# KiCad board imx8x_carrier_v2.kicad_pcb (continued)
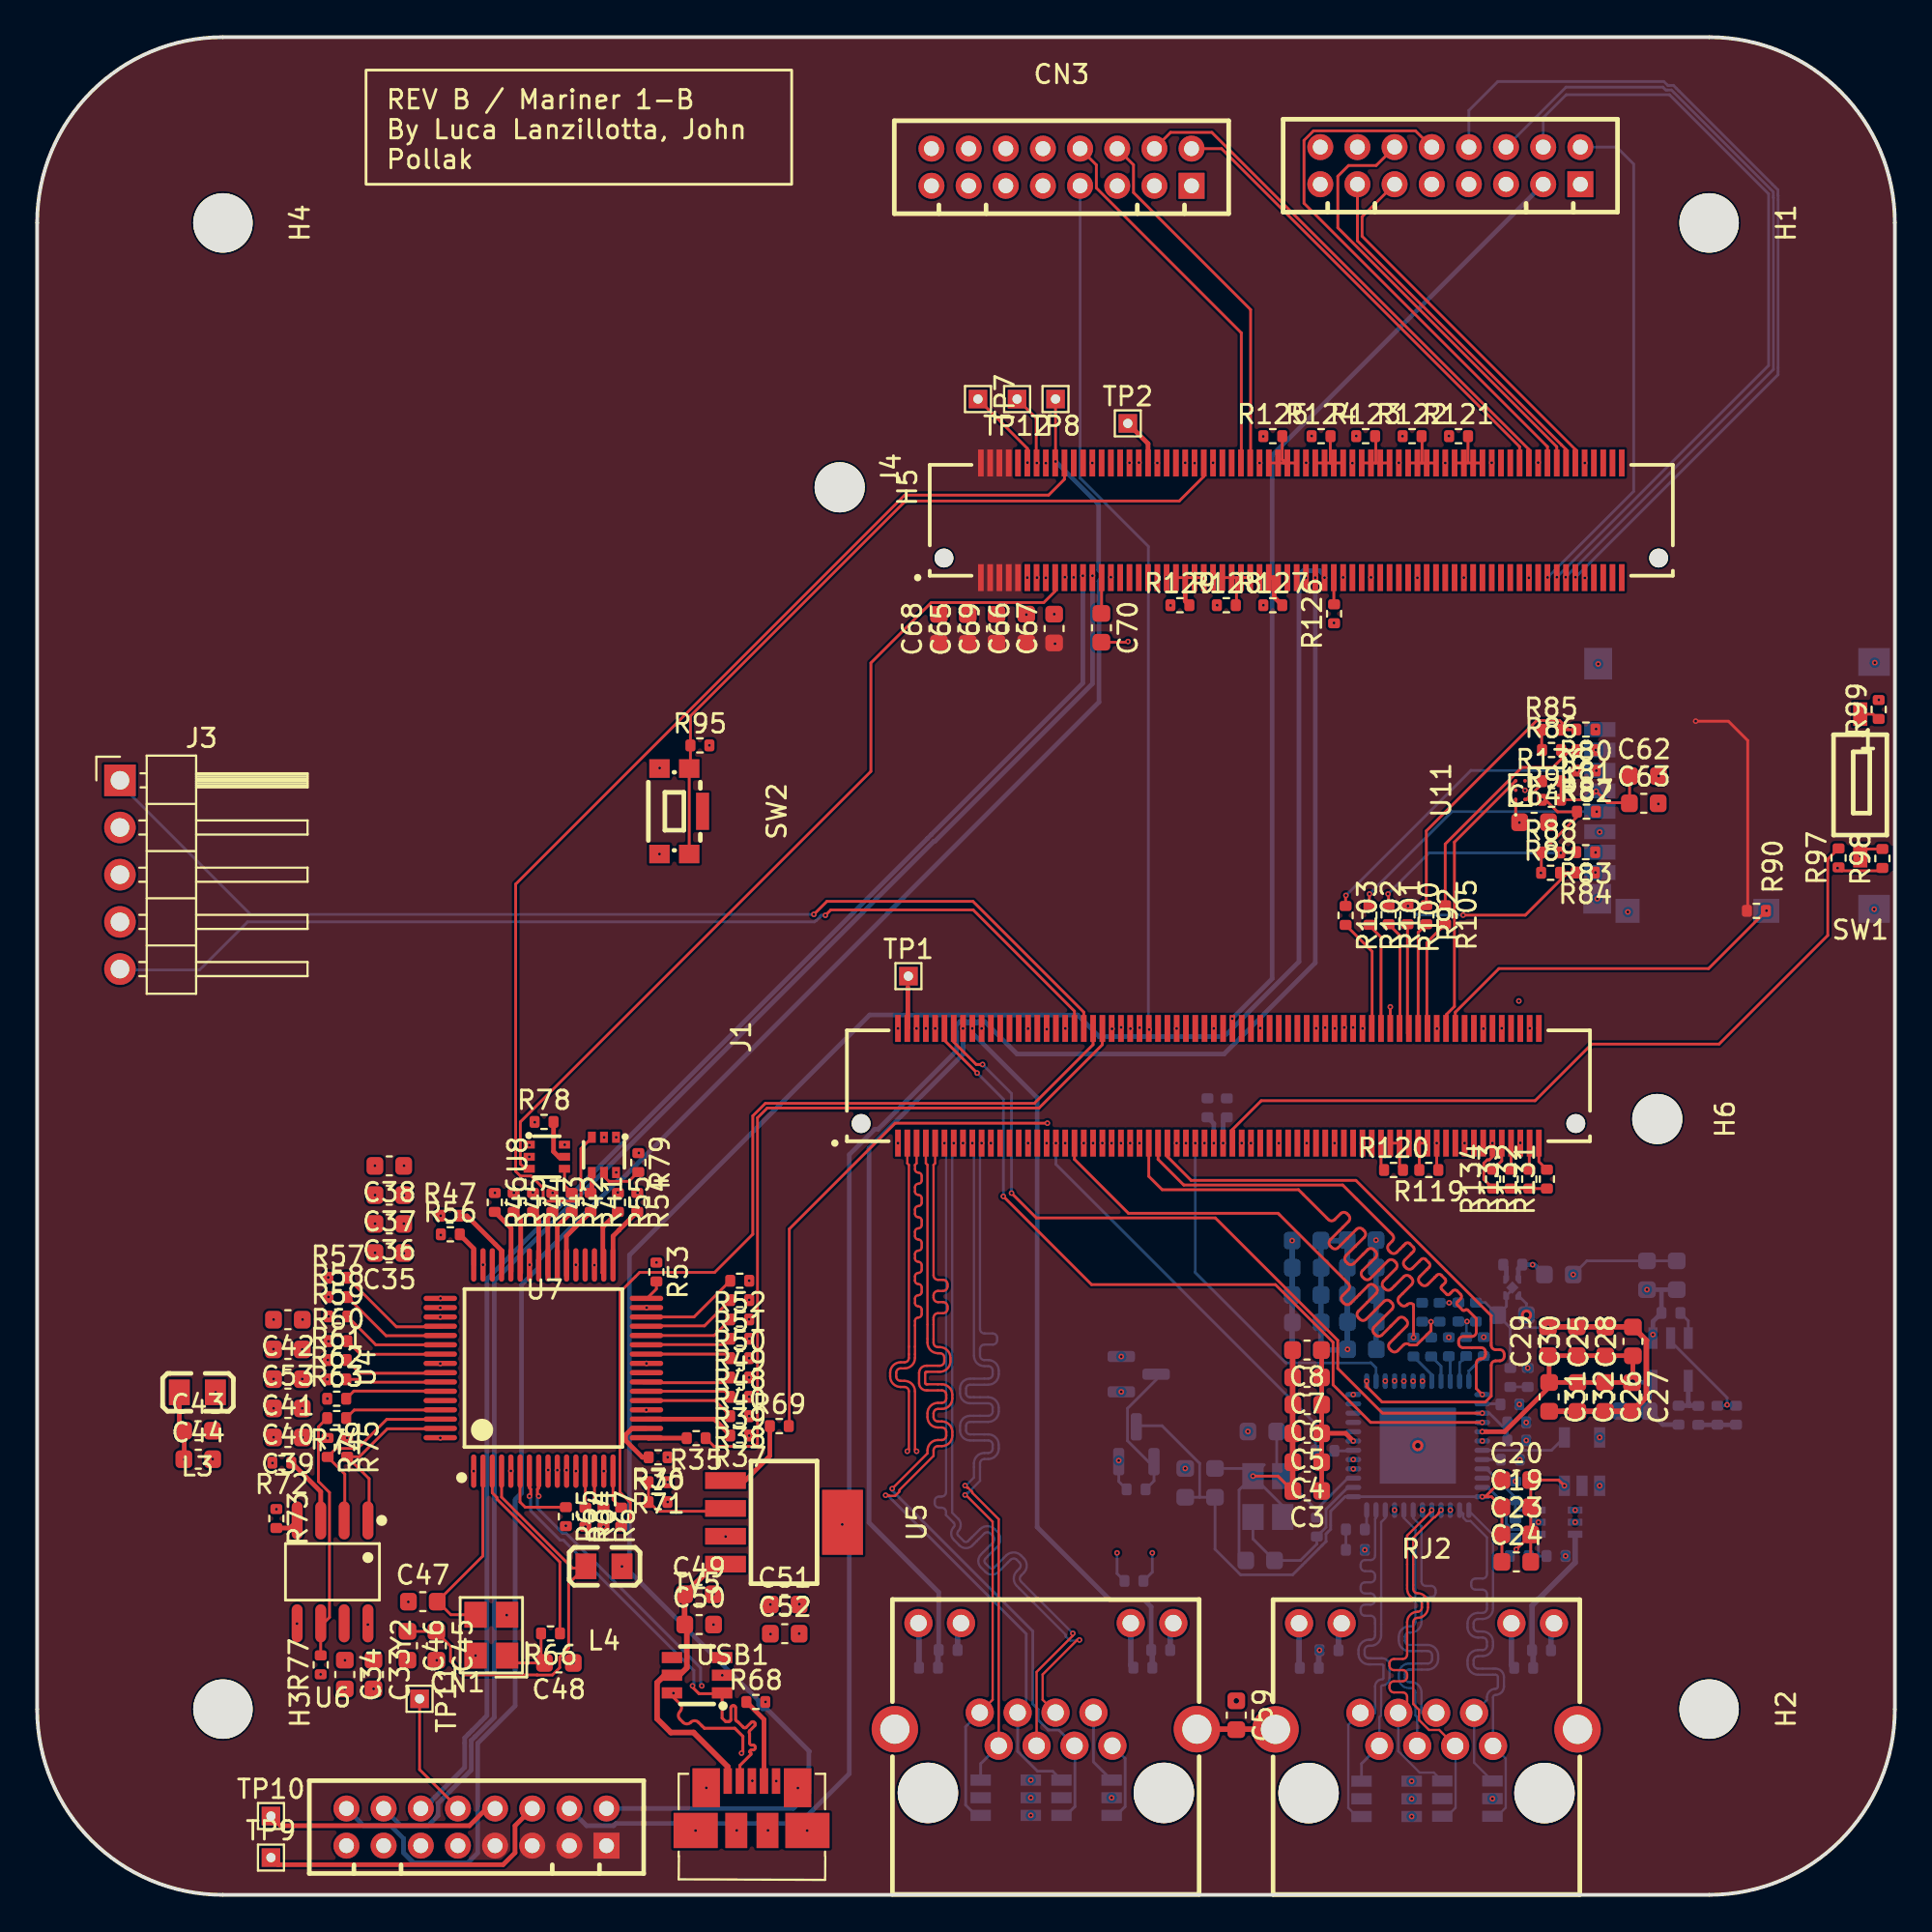
[diagram p0: board, top side]
## Routing (per net, layer and track width the routed paths; a pad name or vN(x,y) marks a point on that pad's centre or on a via; arc(x,y) is an arc through that point) (continued)
ETH1_D_RXDV_P: length 17
  SIG3 w0.124: RJ2.7 72.25,9.57 72.35,9.66 72.35,11.21 arc(72.36,11.26) 72.41,11.27 arc(72.68,11.39) 72.8,11.66 72.8,12.34 arc(72.68,12.62) 72.41,12.73 71.69,12.73 arc(71.53,12.8) 71.46,12.97 71.46,13.17 arc(71.53,13.34) 71.69,13.41 71.78,13.41 arc(72.18,13.57) 72.35,13.97 72.35,20.06 72.57,20.29 U1.10
  SIG3 w0.15: RJ2.7 71.29,7.06 TV4.6
ETH1_LED0: length 8.2
  SIG3 w0.3: U3.6 82.79,19.41 82.79,17.89 80.47,15.57 R32.1 80.53,13.11 R33.2
ETH1_LED1: length 17.9
  SIG2 w0.3: v1(82.79,20.71) 82.61,20.71 75.07,13.17 v1(69.03,13.17)
  SIG3 w0.3: R30.2 68.99,13.13 v1(69.03,13.17)
LED0_LINK: length 6.8
  SIG3 w0.15: 80.82,18.24 81.25,18.24 R23.2 ; 80.82,18.24 80.81,18.25 U3.1 80.55,19.67 79.39,19.67 79.09,19.97 79.09,20.93 78.08,21.93 U1.47 ; 80.82,18.24 R25.1
LED2_ACT: length 4.8
  SIG3 w0.15: 79.58,20.71 R22.2 79.58,21.37 78.02,22.93 U1.45 ; 79.58,20.71 79.58,20.24 R24.1 ; 79.58,20.71 79.58,20.71 U3.3
SD1_SPWR: length 1.4
  SIG1 w0.15: R136.1 81.01,59.81 80.16,58.96 80.09,58.96
X_ADMA_I2C0_SCL: length 110.4
  SIG3 w0.25: CN1.2 40.7,4.65 41.54,5.49 41.54,7.72 41.57,7.72 39.28,10.01 39.05,10.01 38.83,10.23 38.83,10.45 31.88,17.4 31.88,34.44 44.81,47.37 56,47.37 57.16,46.2 63.79,46.2 63.92,46.33 64.02,46.33 67.92,50.23 67.92,71.05 68.15,71.28 69.04,71.28 69.3,71.02 v1(69.3,70.91)
X_ADMA_I2C0_SDA: length 102.5
  SIG3 w0.25: v1(68.8,70.91) 68.8,50.17 63.89,45.26 52.75,45.26 51,47.01 50.68,47.01 50.59,46.92 50.5,47.01 50.18,47.01 50.09,46.92 50,47.01 49.68,47.01 49.46,46.79 49.46,46.48 49.49,46.46 49.49,45.44 45.27,41.22 45.09,41.22 43.72,39.84 43.72,6.52 41.04,3.84 31.16,3.84 31.03,3.72 29.58,3.72 CN1.4
X_ADMA_I2C3_SCL: length 59
  SIG2 w0.25: v1(53.34,40.47) 53.34,45.06 54.73,46.44 54.73,46.75 49.9,51.58 49.9,68.58 49.72,68.75 49.72,69.06 49.9,69.24 49.9,90.3 51.07,91.47 51.07,92.68 51.52,92.68 51.91,93.07 53.22,93.07 CN3.10
X_ADMA_I2C3_SDA: length 55.7
  SIG2 w0.15: CN3.12 51.27,93.12 47.16,93.12 46.15,92.11 46.15,54.8 v1(54.35,46.6)
X_ADMA_SPI2_CS0: length 50.7
  GND2 w0.15: CN2.1 83.07,78.32 80.68,75.93 80.68,56.2 76.89,52.41 76.56,52.41 v1(70.84,46.69)
X_ADMA_SPI2_CS1: length 51.8
  SIG3 w0.25: CN2.3 66.48,77.49 66.48,49.32 v1(64.33,47.17)
X_ADMA_SPI2_SCK: length 49
  GND2 w0.15: v1(70.36,46.69) 70.36,46.95 79.07,55.66 CN2.5
X_ADMA_SPI2_SDI: length 48.4
  GND2 w0.15: v1(69.86,46.64) 69.86,64.43 77.07,71.64 CN2.7
X_ADMA_SPI2_SDO: length 48.9
  GND2 w0.15: CN2.9 67.97,84.98 67.97,48.03 v1(69.33,46.68)
X_ADMA_UART0_RX: length 48.7
  SIG1 w0.15: J1.97 56.84,45.76 53.68,42.61 39.2,42.61 38.53,41.93 38.53,35.56 36.47,33.51 32.44,33.51 31.37,32.45 31.37,21.67 31.93,21.11 31.93,20.31 31.4,19.78
X_ADMA_UART0_TX: length 41.6
  SIG1 w0.15: 36.01,24.57 36.44,24.14 38.62,24.14 38.78,24.29 38.78,41.83 39.3,42.35 53.93,42.35 57.34,45.76 J1.95
X_ADMA_UART2_RX: length 58.6
  SIG1 w0.15: 41.83,52.8 42.51,53.48 50.37,53.48 56.34,47.51 J1.99
  SIG3 w0.15: v1(41.81,52.78) 11.48,52.78 4.46,59.8 J3.1
X_ADMA_UART2_TX: length 55.9
  SIG1 w0.15: v1(42.43,52.73) 42.72,53.02 50.39,53.02 55.84,47.57 J1.101
  SIG3 w0.15: 4.48,49.79 8.74,49.79 11.33,52.38 41.85,52.38 41.92,52.45 41.94,52.45 42.14,52.64 42.14,52.66 42.2,52.73 v1(42.43,52.73)
X_BOOT_MODE0: length 46.6
  SIG1 w0.15: R98.2 98.51,56.3 98.19,55.98
  SIG2 w0.15: 64.83,40.47 64.83,40.05 65.37,39.51 85.89,39.51 86.17,39.24 88.26,39.24 88.53,39.51 89.22,39.51 98.14,48.43 v1(98.14,55.92)
  vias: v1(64.84,40.47)
X_BOOT_MODE1: length 42.1
  SIG1 w0.15: 64.33,40.47 64.33,41.19 65.89,42.75 80.63,42.75 83.67,45.78 83.65,45.8 90.54,45.8 96.39,51.65 96.39,55.75 96.98,56.34
X_BOOT_MODE2: length 1.5
  SIG3 w0.25: R94.1 63.84,41.66 v1(63.84,40.47)
X_BOOT_MODE3: length 1.5
  SIG3 w0.25: v1(63.34,40.47) 63.34,41.52 R96.1
X_CONN_ENET1_REFCLK: length 22.4
  SIG3 w0.15: v1(54.84,40.47) 54.84,39.33 68.81,25.36 R7.1
X_CONN_ENET1_RX_CTL: length 34.5
  SIG2 w0.15: v1(79.79,26.4) 76.18,26.4 arc(76.01,26.33) 75.94,26.16 75.94,25.84 arc(75.87,25.67) 75.7,25.6 75.58,25.6 arc(75.41,25.67) 75.34,25.84 75.34,26.91 arc(75.27,27.08) 75.1,27.15 74.98,27.15 arc(74.81,27.08) 74.74,26.91 74.74,25.84 arc(74.67,25.67) 74.5,25.6 74.38,25.6 arc(74.21,25.67) 74.14,25.84 74.14,26.16 arc(74.07,26.33) 73.9,26.4 68.83,26.4 55.34,39.89 v1(55.34,40.47)
X_CONN_ENET1_RX_CTRL: length 1
  SIG3 w0.15: R16.1 80.29,27.34 80.29,27.34
X_CONN_ENET1_RXC: length 34.5
  SIG1 w0.15: J1.86 59.84,38.68 60.56,37.96 67.9,37.96 69.51,36.35 arc(69.68,36.28) 69.85,36.35 70.17,36.67 arc(70.34,36.74) 70.51,36.67 70.59,36.59 arc(70.66,36.42) 70.59,36.25 69.61,35.27 arc(69.54,35.1) 69.61,34.93 69.7,34.84 arc(69.86,34.77) 70.03,34.84 71.02,35.82 arc(71.19,35.89) 71.36,35.82 71.44,35.74 arc(71.51,35.57) 71.44,35.4 70.46,34.42 arc(70.39,34.25) 70.46,34.08 70.54,33.99 arc(70.71,33.92) 70.88,33.99 71.62,34.73 arc(71.79,34.8) 71.96,34.73 72.04,34.64 arc(72.11,34.47) 72.04,34.3 71.34,33.6 arc(71.27,33.43) 71.34,33.26 71.43,33.18 arc(71.6,33.11) 71.77,33.18 72.71,34.13 arc(72.88,34.2) 73.05,34.13 73.14,34.04 arc(73.21,33.87) 73.14,33.7 72.47,33.04 arc(72.4,32.87) 72.47,32.7 72.56,32.61 arc(72.73,32.54) 72.9,32.61 73.56,33.28 arc(73.73,33.35) 73.9,33.28 73.99,33.19 arc(74.06,33.02) 73.99,32.85 73.32,32.19 arc(73.25,32.02) 73.32,31.85 73.41,31.77 arc(73.58,31.69) 73.75,31.77 73.75,31.77 arc(73.92,31.84) 74.09,31.77 v1(74.09,30)
X_CONN_ENET1_RXD0: length 37.8
  SIG1 w0.15: J1.102 55.84,39.59 58.74,36.69 66.8,36.69 70.58,32.91 arc(70.65,32.74) 70.58,32.57 70.27,32.26 arc(70.2,32.09) 70.27,31.92 70.35,31.84 arc(70.52,31.77) 70.69,31.84 71.65,32.79 arc(71.82,32.86) 71.99,32.79 72.08,32.71 arc(72.15,32.54) 72.08,32.37 71.12,31.41 arc(71.05,31.24) 71.12,31.07 71.2,30.99 arc(71.37,30.92) 71.54,30.99 72.5,31.95 arc(72.67,32.02) 72.84,31.95 72.92,31.86 arc(73,31.69) 72.92,31.52 71.97,30.56 arc(71.9,30.39) 71.97,30.22 72.05,30.14 arc(72.22,30.07) 72.39,30.14 73.28,31.03 arc(73.45,31.1) 73.62,31.03 73.7,30.94 arc(73.77,30.77) 73.7,30.6 72.82,29.71 arc(72.74,29.55) 72.82,29.38 72.9,29.29 arc(73.07,29.22) 73.24,29.29 73.55,29.6 arc(73.72,29.67) 73.89,29.6 74.26,29.6 75.03,30.37 v1(75.03,30.85)
  SIG3 w0.15: 75.04,30.85 R19.2 ; 75.04,30.85 v1(75.03,30.85) R21.1 ; 75.04,30.85 R1.2
X_CONN_ENET1_RXD1: length 34.5
  SIG2 w0.15: v1(75.99,30.01) 75.99,30.84 arc(75.95,30.92) 75.99,31.01 arc(76.03,31.09) 75.99,31.18 75.7,31.47 arc(75.61,31.51) 75.53,31.47 75.37,31.32 arc(75.3,31.29) 75.23,31.32 74.95,31.6 arc(74.92,31.67) 74.95,31.74 arc(74.98,31.81) 74.95,31.88 74.7,32.13 74.05,32.13 73.4,32.13 arc(73.23,32.2) 73.16,32.37 73.16,32.81 arc(73.09,32.98) 72.92,33.05 72.8,33.05 arc(72.63,32.98) 72.56,32.81 72.56,31.44 arc(72.49,31.27) 72.32,31.2 72.2,31.2 arc(72.03,31.27) 71.96,31.44 71.96,32.81 arc(71.89,32.98) 71.72,33.05 71.6,33.05 arc(71.43,32.98) 71.36,32.81 71.36,31.44 arc(71.29,31.27) 71.12,31.2 71,31.2 arc(70.83,31.27) 70.76,31.44 70.76,32.81 arc(70.69,32.98) 70.52,33.05 70.4,33.05 arc(70.23,32.98) 70.16,32.81 70.16,31.69 arc(70.09,31.52) 69.92,31.45 69.8,31.45 arc(69.63,31.52) 69.56,31.69 69.56,32.81 arc(69.49,32.98) 69.32,33.05 69.2,33.05 arc(69.03,32.98) 68.96,32.81 68.96,32.37 arc(68.89,32.2) 68.72,32.13 65.96,32.13 61.1,36.99 61.1,36.99 58.09,39.99 58.09,40 57.84,40.25 v1(57.84,40.47)
X_CONN_ENET1_RXD2: length 37
  SIG2 w0.15: v1(76.97,30.86) 76.97,31.48 arc(76.94,31.55) 76.97,31.62 arc(77,31.69) 76.97,31.76 76.69,32.04 arc(76.62,32.07) 76.55,32.04 arc(76.47,32.01) 76.4,32.04 76.12,32.33 arc(76.09,32.4) 76.12,32.47 arc(76.15,32.54) 76.12,32.61 75.84,32.89 arc(75.77,32.92) 75.7,32.89 75.17,32.36 arc(75,32.29) 74.83,32.36 74.74,32.45 arc(74.67,32.62) 74.74,32.78 75.27,33.32 arc(75.3,33.39) 75.27,33.46 74.99,33.74 arc(74.92,33.77) 74.85,33.74 74.25,33.14 arc(74.08,33.07) 73.91,33.14 73.82,33.22 arc(73.75,33.39) 73.82,33.56 74.42,34.17 arc(74.45,34.24) 74.42,34.31 74.14,34.59 arc(74.07,34.62) 74,34.59 73.4,33.99 arc(73.23,33.92) 73.06,33.99 72.97,34.07 arc(72.9,34.24) 72.97,34.41 73.58,35.01 arc(73.6,35.08) 73.58,35.16 73.29,35.44 arc(73.22,35.47) 73.15,35.44 72.93,35.21 arc(72.77,35.15) 72.62,35.21 72.5,35.33 arc(72.44,35.48) 72.5,35.64 72.73,35.86 arc(72.76,35.93) 72.73,36 72.44,36.29 arc(72.37,36.32) 72.3,36.29 71.7,35.69 arc(71.54,35.62) 71.37,35.69 71.28,35.77 arc(71.21,35.94) 71.28,36.11 71.88,36.71 arc(71.91,36.78) 71.88,36.85 71.6,37.14 arc(71.53,37.16) 71.45,37.14 arc(71.38,37.11) 71.31,37.14 70.54,37.91 69.89,37.91 arc(69.72,37.98) 69.65,38.15 69.65,38.2 arc(69.58,38.37) 69.41,38.44 69.29,38.44 arc(69.12,38.37) 69.05,38.2 69.05,37.17 arc(68.98,37) 68.81,36.93 68.69,36.93 arc(68.52,37) 68.45,37.17 68.45,37.67 arc(68.38,37.84) 68.21,37.91 60.53,37.91 58.34,40.1 v1(58.34,40.47)
  SIG3 w0.15: 76.93,30.86 v1(76.97,30.86) 77.45,30.86 R20.1 ; 76.93,30.86 R3.2 ; 76.93,30.86 R18.2
X_CONN_ENET1_RXD3: length 34.5
  SIG2 w0.15: v1(59.34,40.47) 59.34,39.77 60.37,38.74 63.36,38.74 arc(63.53,38.67) 63.6,38.5 63.6,38.45 arc(63.68,38.28) 63.84,38.21 63.96,38.21 arc(64.13,38.28) 64.2,38.45 64.2,38.85 arc(64.24,38.93) 64.32,38.96 64.69,38.96 arc(64.77,38.93) 64.8,38.85 64.8,38.45 arc(64.88,38.28) 65.04,38.21 65.16,38.21 arc(65.33,38.28) 65.4,38.45 65.4,38.85 arc(65.44,38.93) 65.52,38.96 65.89,38.96 arc(65.97,38.93) 66,38.85 66,38.45 arc(66.08,38.28) 66.24,38.21 66.36,38.21 arc(66.53,38.28) 66.6,38.45 66.6,38.85 arc(66.64,38.93) 66.72,38.96 67.09,38.96 arc(67.17,38.93) 67.2,38.85 67.2,38.45 arc(67.28,38.28) 67.44,38.21 67.56,38.21 arc(67.73,38.28) 67.8,38.45 67.8,38.85 arc(67.84,38.93) 67.92,38.96 68.31,38.96 arc(68.39,38.93) 68.42,38.85 arc(68.45,38.77) 68.53,38.74 68.91,38.74 arc(68.99,38.77) 69.02,38.85 arc(69.05,38.92) 69.13,38.96 69.51,38.96 arc(69.59,38.92) 69.62,38.85 arc(69.65,38.77) 69.73,38.74 70.38,38.74 70.84,38.28 arc(71.01,38.21) 71.18,38.28 71.22,38.31 arc(71.39,38.38) 71.56,38.31 71.64,38.23 arc(71.71,38.06) 71.64,37.89 71.6,37.85 arc(71.53,37.68) 71.6,37.51 71.69,37.43 arc(71.86,37.36) 72.03,37.43 72.07,37.46 arc(72.23,37.54) 72.4,37.46 72.49,37.38 arc(72.56,37.21) 72.49,37.04 72.45,37 arc(72.38,36.83) 72.45,36.66 72.54,36.58 arc(72.71,36.51) 72.88,36.58 72.91,36.62 arc(73.08,36.69) 73.25,36.62 73.34,36.53 arc(73.41,36.36) 73.34,36.19 73.3,36.16 arc(73.23,35.99) 73.3,35.82 73.39,35.73 arc(73.56,35.66) 73.73,35.73 73.76,35.77 arc(73.93,35.84) 74.1,35.77 74.19,35.68 arc(74.26,35.51) 74.19,35.34 74.15,35.31 arc(74.08,35.14) 74.15,34.97 74.24,34.88 arc(74.4,34.81) 74.57,34.88 74.61,34.92 arc(74.78,34.99) 74.95,34.92 75.04,34.83 arc(75.11,34.66) 75.04,34.49 75,34.46 arc(74.93,34.29) 75,34.12 75.08,34.03 arc(75.25,33.96) 75.42,34.03 75.46,34.07 arc(75.63,34.14) 75.8,34.07 75.88,33.99 arc(75.95,33.82) 75.88,33.65 75.85,33.61 arc(75.78,33.44) 75.85,33.27 75.93,33.19 arc(76.1,33.12) 76.27,33.19 76.31,33.22 arc(76.48,33.29) 76.65,33.22 76.73,33.14 arc(76.8,32.97) 76.73,32.8 76.7,32.76 arc(76.63,32.59) 76.7,32.42 76.78,32.34 arc(76.95,32.27) 77.12,32.34 77.16,32.37 arc(77.33,32.44) 77.5,32.37 77.58,32.29 arc(77.65,32.12) 77.58,31.95 77.3,31.67 arc(77.27,31.6) 77.3,31.53 77.59,31.25 arc(77.66,31.22) 77.73,31.25 arc(77.8,31.28) 77.87,31.25 v1(77.87,30.02)
X_CONN_ENET1_TX_CTL: length 34.5
  SIG1 w0.15: v1(77.79,26.93) 77.47,27.25 77.47,28.62 arc(77.54,28.79) 77.71,28.86 77.73,28.86 arc(77.9,28.93) 77.97,29.1 77.97,29.22 arc(77.9,29.39) 77.73,29.46 76.76,29.46 arc(76.59,29.53) 76.52,29.7 76.52,29.82 arc(76.59,29.99) 76.76,30.06 77.23,30.06 arc(77.4,30.13) 77.47,30.3 77.47,31.02 77.01,31.48 arc(76.94,31.51) 76.87,31.48 arc(76.8,31.45) 76.73,31.48 76.44,31.76 arc(76.41,31.83) 76.44,31.9 76.63,32.09 arc(76.68,32.21) 76.63,32.32 76.44,32.51 arc(76.32,32.56) 76.21,32.51 76.02,32.33 arc(75.95,32.3) 75.88,32.33 75.59,32.61 arc(75.57,32.68) 75.59,32.75 75.78,32.94 arc(75.83,33.05) 75.78,33.17 75.58,33.36 arc(75.47,33.41) 75.36,33.36 74.85,32.86 arc(74.68,32.79) 74.51,32.86 74.43,32.94 arc(74.36,33.11) 74.43,33.28 74.93,33.79 arc(74.98,33.9) 74.93,34.01 74.74,34.21 arc(74.62,34.26) 74.51,34.21 74.04,33.74 arc(73.87,33.67) 73.7,33.74 73.62,33.83 arc(73.54,34) 73.62,34.17 74.08,34.63 arc(74.13,34.75) 74.08,34.86 73.89,35.06 arc(73.77,35.11) 73.66,35.06 73.19,34.59 arc(73.02,34.52) 72.85,34.59 72.77,34.68 arc(72.7,34.84) 72.77,35.01 72.95,35.2 arc(73.02,35.37) 72.95,35.54 70.28,38.21 61.72,38.21 60.34,39.59 J1.84
X_CONN_ENET1_TXC: length 34.5
  SIG2 w0.15: v1(61.84,40.47) 61.84,39.6 62.18,39.26 71.02,39.26 75.35,34.93 arc(75.52,34.86) 75.69,34.93 76.05,35.29 arc(76.22,35.36) 76.39,35.29 76.47,35.2 arc(76.54,35.03) 76.47,34.86 76.11,34.5 arc(76.04,34.33) 76.11,34.16 76.2,34.08 arc(76.37,34.01) 76.54,34.08 76.9,34.44 arc(77.07,34.51) 77.24,34.44 77.32,34.35 arc(77.39,34.18) 77.32,34.01 76.96,33.65 arc(76.89,33.49) 76.96,33.32 77.05,33.23 arc(77.22,33.16) 77.39,33.23 77.75,33.59 arc(77.92,33.66) 78.08,33.59 78.17,33.5 arc(78.24,33.33) 78.17,33.16 77.81,32.81 arc(77.74,32.64) 77.81,32.47 78.27,32.01 78.27,31.53 arc(78.34,31.36) 78.51,31.29 79.02,31.29 arc(79.19,31.22) 79.26,31.05 79.26,30.93 arc(79.19,30.76) 79.02,30.69 78.51,30.69 arc(78.34,30.62) 78.27,30.45 78.27,29.85 78.02,29.6 75.45,29.6 73.57,27.72 v1(73.57,27.65)
X_CONN_ENET1_TXD0: length 34.5
  SIG2 w0.15: v1(57.34,40.47) 57.34,40.06 58.98,38.42 arc(59.02,38.32) 58.98,38.22 arc(58.94,38.12) 58.98,38.02 59.2,37.79 arc(59.3,37.75) 59.4,37.79 59.58,37.96 arc(59.65,37.99) 59.72,37.96 60,37.68 arc(60.03,37.61) 60,37.54 59.81,37.36 arc(59.77,37.24) 59.81,37.13 60.01,36.93 arc(60.13,36.88) 60.24,36.93 60.42,37.12 arc(60.49,37.15) 60.57,37.12 60.85,36.83 arc(60.88,36.76) 60.85,36.69 60.66,36.5 arc(60.61,36.39) 60.66,36.27 60.85,36.08 arc(60.97,36.03) 61.09,36.08 61.27,36.27 arc(61.34,36.3) 61.41,36.27 61.7,35.98 arc(61.73,35.91) 61.7,35.84 61.51,35.66 arc(61.46,35.54) 61.51,35.42 61.7,35.23 arc(61.81,35.18) 61.93,35.23 62.12,35.42 arc(62.19,35.45) 62.26,35.42 62.54,35.14 arc(62.57,35.07) 62.54,34.99 62.36,34.81 arc(62.31,34.69) 62.36,34.57 62.54,34.38 arc(62.66,34.33) 62.78,34.38 62.97,34.57 arc(63.04,34.6) 63.11,34.57 63.39,34.29 arc(63.42,34.22) 63.39,34.15 63.2,33.96 arc(63.15,33.84) 63.2,33.72 63.39,33.53 arc(63.51,33.48) 63.63,33.53 63.82,33.72 arc(63.89,33.75) 63.96,33.72 64.24,33.44 arc(64.27,33.37) 64.24,33.3 arc(64.21,33.23) 64.24,33.16 64.52,32.87 arc(64.6,32.84) 64.67,32.87 arc(64.74,32.9) 64.81,32.87 65.09,32.59 arc(65.12,32.52) 65.09,32.45 arc(65.06,32.38) 65.09,32.31 65.37,32.02 arc(65.44,32) 65.51,32.02 arc(65.59,32.05) 65.66,32.02 65.94,31.74 arc(65.97,31.67) 65.94,31.6 arc(65.91,31.53) 65.94,31.46 66.02,31.37 arc(66.19,31.3) 66.36,31.37 66.72,31.74 arc(66.89,31.81) 67.06,31.74 67.15,31.65 arc(67.22,31.48) 67.15,31.31 66.79,30.95 arc(66.72,30.78) 66.79,30.61 67.25,30.15 67.74,30.15 arc(67.91,30.22) 67.98,30.39 67.98,30.9 arc(68.05,31.07) 68.22,31.14 68.34,31.14 arc(68.51,31.07) 68.58,30.9 68.58,29.93 arc(68.65,29.78) 68.8,29.71 68.96,29.71 arc(69.12,29.78) 69.18,29.93 69.18,30.9 arc(69.25,31.07) 69.42,31.14 69.54,31.14 arc(69.71,31.07) 69.78,30.9 69.78,30.39 arc(69.85,30.22) 70.02,30.15 70.67,30.15 71.22,29.61 arc(71.28,29.45) 71.22,29.3 arc(71.15,29.14) 71.22,28.99 71.33,28.87 arc(71.49,28.81) 71.64,28.87 72.33,29.56 arc(72.5,29.63) 72.67,29.56 72.75,29.47 arc(72.82,29.31) 72.75,29.14 72.39,28.77 arc(72.32,28.6) 72.39,28.43 73.07,27.75 U1.28
  vias: v1(73.07,27.67)
X_CONN_ENET1_TXD1: length 34.5
  SIG2 w0.15: U1.27 72.57,27.9 71.83,28.64 arc(71.66,28.57) 71.59,28.4 71.59,28.31 arc(71.52,28.14) 71.35,28.07 71.23,28.07 arc(71.06,28.14) 70.99,28.31 70.99,28.77 arc(70.95,28.86) 70.86,28.9 70.52,28.9 arc(70.43,28.86) 70.39,28.77 70.39,27.91 arc(70.32,27.74) 70.15,27.67 70.03,27.67 arc(69.86,27.74) 69.79,27.91 69.79,29.37 arc(69.72,29.54) 69.55,29.61 69.43,29.61 arc(69.26,29.54) 69.19,29.37 69.19,27.91 arc(69.12,27.74) 68.95,27.67 68.83,27.67 arc(68.66,27.74) 68.59,27.91 68.59,28.4 arc(68.52,28.57) 68.35,28.64 67.85,28.64 67.39,29.1 arc(67.22,29.17) 67.05,29.1 66.99,29.03 arc(66.82,28.96) 66.65,29.03 66.56,29.12 arc(66.49,29.29) 66.56,29.46 66.91,29.8 arc(66.95,29.91) 66.91,30.03 66.71,30.23 arc(66.59,30.27) 66.48,30.23 66.14,29.88 arc(65.97,29.81) 65.8,29.88 65.71,29.97 arc(65.64,30.14) 65.71,30.31 66.06,30.65 arc(66.11,30.76) 66.06,30.87 65.86,31.08 arc(65.75,31.12) 65.63,31.08 65.29,30.73 arc(65.12,30.66) 64.95,30.73 64.86,30.81 arc(64.79,30.98) 64.86,31.15 65.21,31.5 arc(65.26,31.61) 65.21,31.72 65.01,31.92 arc(64.9,31.97) 64.79,31.92 64.44,31.58 arc(64.27,31.51) 64.1,31.58 64.02,31.66 arc(63.95,31.83) 64.02,32 64.36,32.35 arc(64.41,32.46) 64.36,32.57 64.16,32.77 arc(64.05,32.82) 63.94,32.77 63.59,32.43 arc(63.42,32.36) 63.25,32.43 63.17,32.51 arc(63.1,32.68) 63.17,32.85 63.23,32.92 arc(63.3,33.09) 63.23,33.26 56.84,39.65 v1(56.84,40.47)
  vias: v1(72.57,27.66)
X_CONN_ENET1_TXD2: length 19.5
  SIG3 w0.15: v1(62.34,40.47) 62.34,33.51 67.21,28.64 71.81,28.64 72.07,28.38 U1.26
X_CONN_ENET1_TXD3: length 34.5
  SIG1 w0.15: v1(71.57,27.65) 71.57,27.36 72.4,26.53 77.96,26.53 78.27,26.84 78.27,28.51 arc(78.34,28.68) 78.51,28.75 78.73,28.75 arc(78.9,28.82) 78.97,28.99 78.97,29.11 arc(78.9,29.28) 78.73,29.35 78.51,29.35 arc(78.34,29.42) 78.27,29.59 78.27,31.18 70.99,38.46 62.12,38.46 60.84,39.74 J1.82
X_CONN_ETH0_MDC: length 34.3
  SIG2 w0.157: v1(47.34,46.64) 47.34,45.04 69.45,22.93 v1(70.85,22.93)
X_CONN_ETH0_MDIO: length 33.4
  SIG2 w0.157: v1(47.84,46.64) 47.84,45.39 69.8,23.43 v1(70.85,23.43)
X_CONN_ETH1_PHY_INT: length 1
  SIG3 w0.15: U1.44 78.78,23.43 R8.1
X_CONN_USDHC1_CD_B: length 19.8
  SIG1 w0.15: 93.04,52.93 89.97,49.86 78.69,49.86 76.34,47.51 J1.19
  vias: v1(93.09,52.98)
X_CONN_USDHC1_CLK: length 14.7
  SIG1 w0.15: v1(71.72,53.88) 71.71,53.87 R102.1
  SIG3 w0.15: v1(71.72,53.88) 76.15,58.31 v1(83.95,58.31)
X_CONN_USDHC1_CMD: length 15.8
  SIG1 w0.15: v1(70.45,53.8) 70.43,53.78 R103.1
  SIG3 w0.15: v1(82.89,60.53) 77.18,60.53 v1(70.45,53.8)
X_CONN_USDHC1_DATA0: length 11.7
  SIG1 w0.15: 82.88,56.11 82.88,56.11 R88.2 ; R101.1 72.75,53.85 v1(72.72,53.88)
  SIG3 w0.15: v1(82.02,56.09) 74.93,56.09 v1(72.72,53.88)
X_CONN_USDHC1_DATA1: length 10.6
  SIG1 w0.15: R89.2 82.39,55.02 ; 82.39,55.02 82.85,55.02 ; 82.39,55.02 80.11,52.74 v1(76.76,52.74)
  SIG3 w0.15: v1(73.79,53.23) 74.28,52.74 v1(76.76,52.74)
X_CONN_USDHC1_DATA2: length 15.2
  SIG1 w0.15: 82.44,62.73 81.95,63.21 80.72,63.21 74.78,57.27 R92.1 ; R85.2 82.88,62.72
X_CONN_USDHC1_DATA3: length 12.9
  SIG1 w0.15: R86.2 82.88,61.63 82.89,61.64 ; R105.1 75.8,56.56 79.92,60.69 81.59,60.69 82.46,61.56 82.46,61.61
X_CONN_USDHC1_RESET_B: length 15
  SIG1 w0.15: 75.87,46.47 75.87,47.4 76.29,47.82 76.29,56.67 U11.A3
X_ETH0_A_TX_N: length 43.2
  SIG1 w0.124: v1(47.34,23.88) 47.25,23.97 47.25,27.1 arc(47.09,27.5) 46.69,27.67 46.48,27.67 arc(46.31,27.74) 46.24,27.9 46.24,28.1 arc(46.31,28.27) 46.48,28.34 46.69,28.34 arc(47.09,28.5) 47.25,28.9 47.25,30.9 arc(47.31,31.03) 47.43,31.08 arc(47.56,31.13) 47.62,31.26 47.62,31.5 arc(47.56,31.63) 47.43,31.68 arc(47.31,31.73) 47.25,31.86 47.25,32.1 arc(47.31,32.23) 47.43,32.28 arc(47.56,32.33) 47.62,32.46 47.62,32.7 arc(47.56,32.83) 47.43,32.88 arc(47.31,32.93) 47.25,33.06 47.25,33.3 arc(47.31,33.43) 47.43,33.48 arc(47.56,33.53) 47.62,33.66 47.62,33.9 arc(47.56,34.03) 47.43,34.08 arc(47.31,34.13) 47.25,34.26 47.25,34.5 arc(47.31,34.63) 47.43,34.68 arc(47.56,34.73) 47.62,34.86 47.62,35.1 arc(47.56,35.23) 47.43,35.28 arc(47.31,35.33) 47.25,35.46 47.25,35.7 arc(47.31,35.83) 47.43,35.88 arc(47.56,35.93) 47.62,36.06 47.62,36.3 arc(47.56,36.43) 47.43,36.48 arc(47.31,36.53) 47.25,36.66 47.25,36.9 arc(47.31,37.03) 47.43,37.08 arc(47.56,37.13) 47.62,37.26 47.62,37.5 arc(47.56,37.63) 47.43,37.68 arc(47.31,37.73) 47.25,37.86 47.25,38.1 arc(47.31,38.23) 47.43,38.28 arc(47.56,38.33) 47.62,38.46 47.62,38.7 arc(47.56,38.83) 47.43,38.88 arc(47.31,38.93) 47.25,39.06 47.25,39.29 47.34,39.38 J1.136